# Altium PCB PCB2.PcbDoc (part 1 of 2)
Units mil, origin at the board's own origin, x right, y up, seen from the top; angles counter-clockwise.
Board outline 7988.19 x 3326.77 mil, 4 copper layers (Top Layer, Layer 1, Layer 2, Bottom Layer), stack 23.756 mil thick; 173 components, 187 nets, 820 pads, 323 vias.
Unrouted connection lines stored in the file: 193.
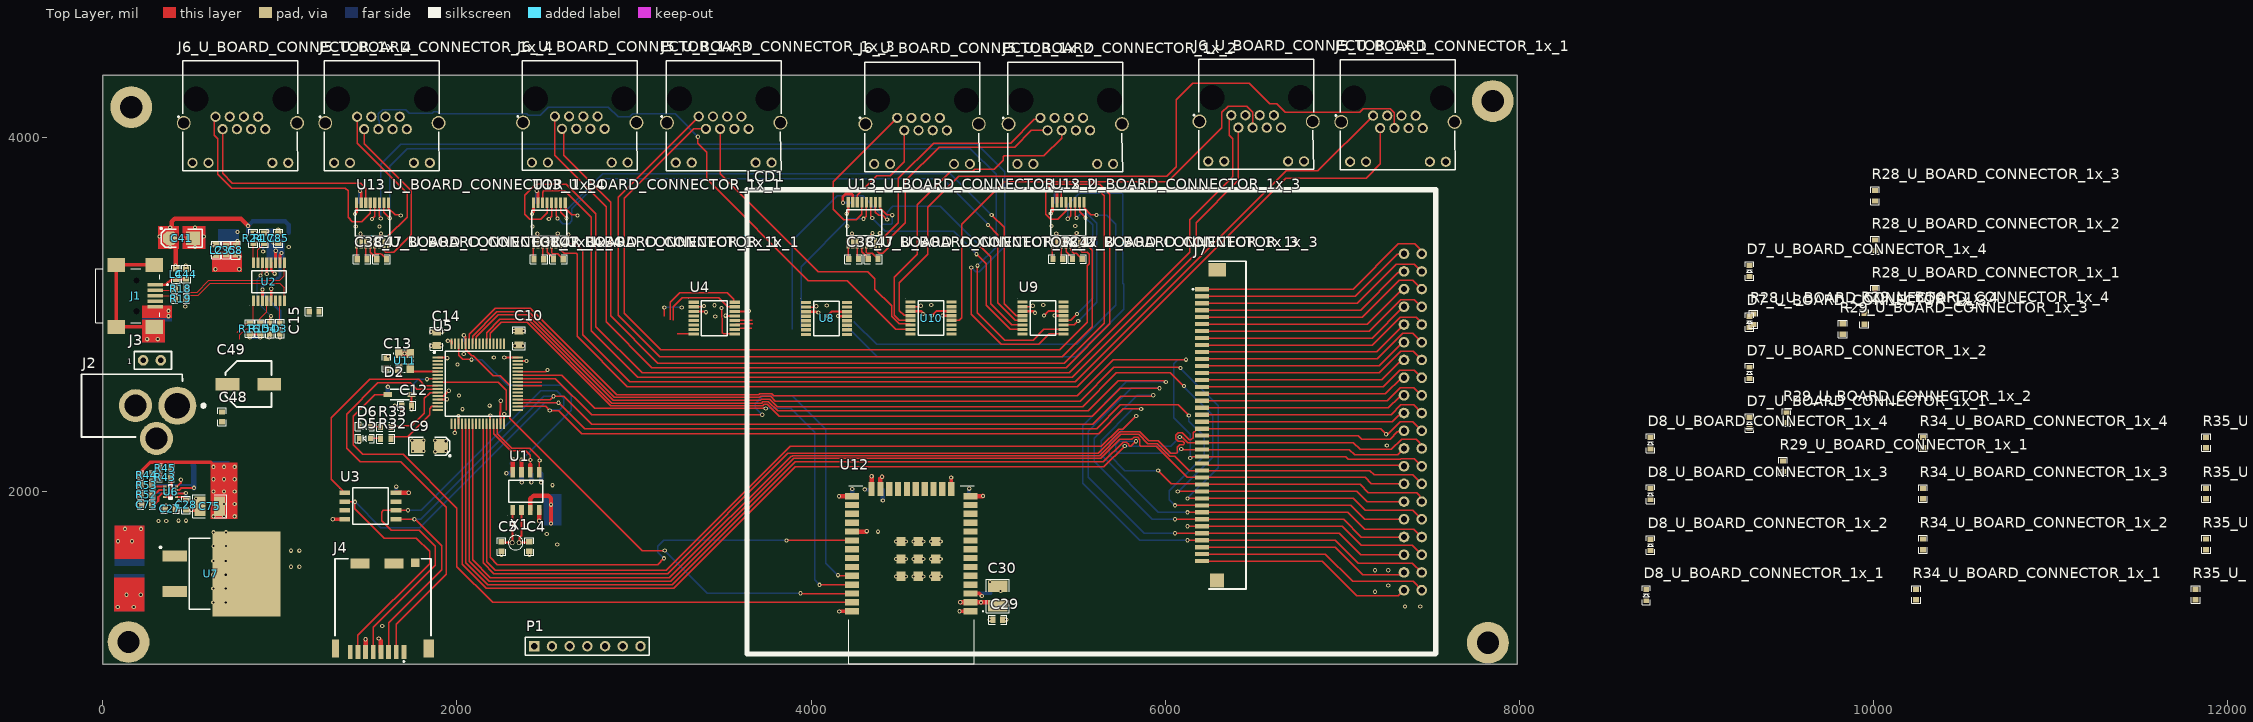
[diagram p0: Top Layer view]
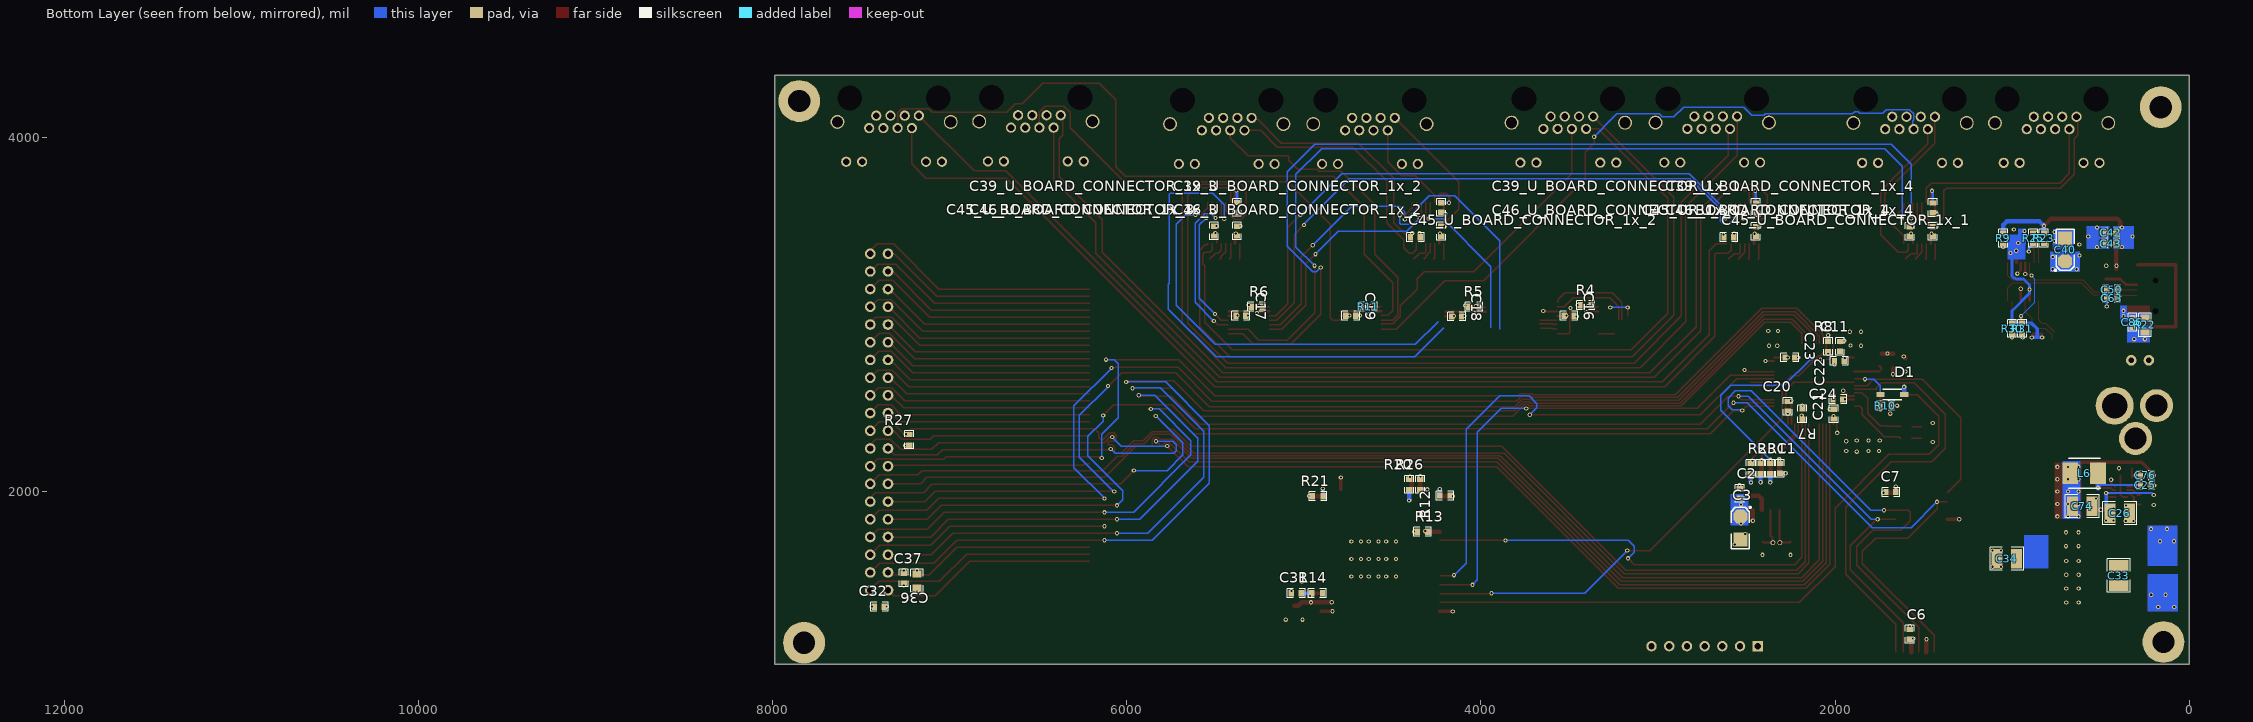
[diagram p1: Bottom Layer view, seen from below]
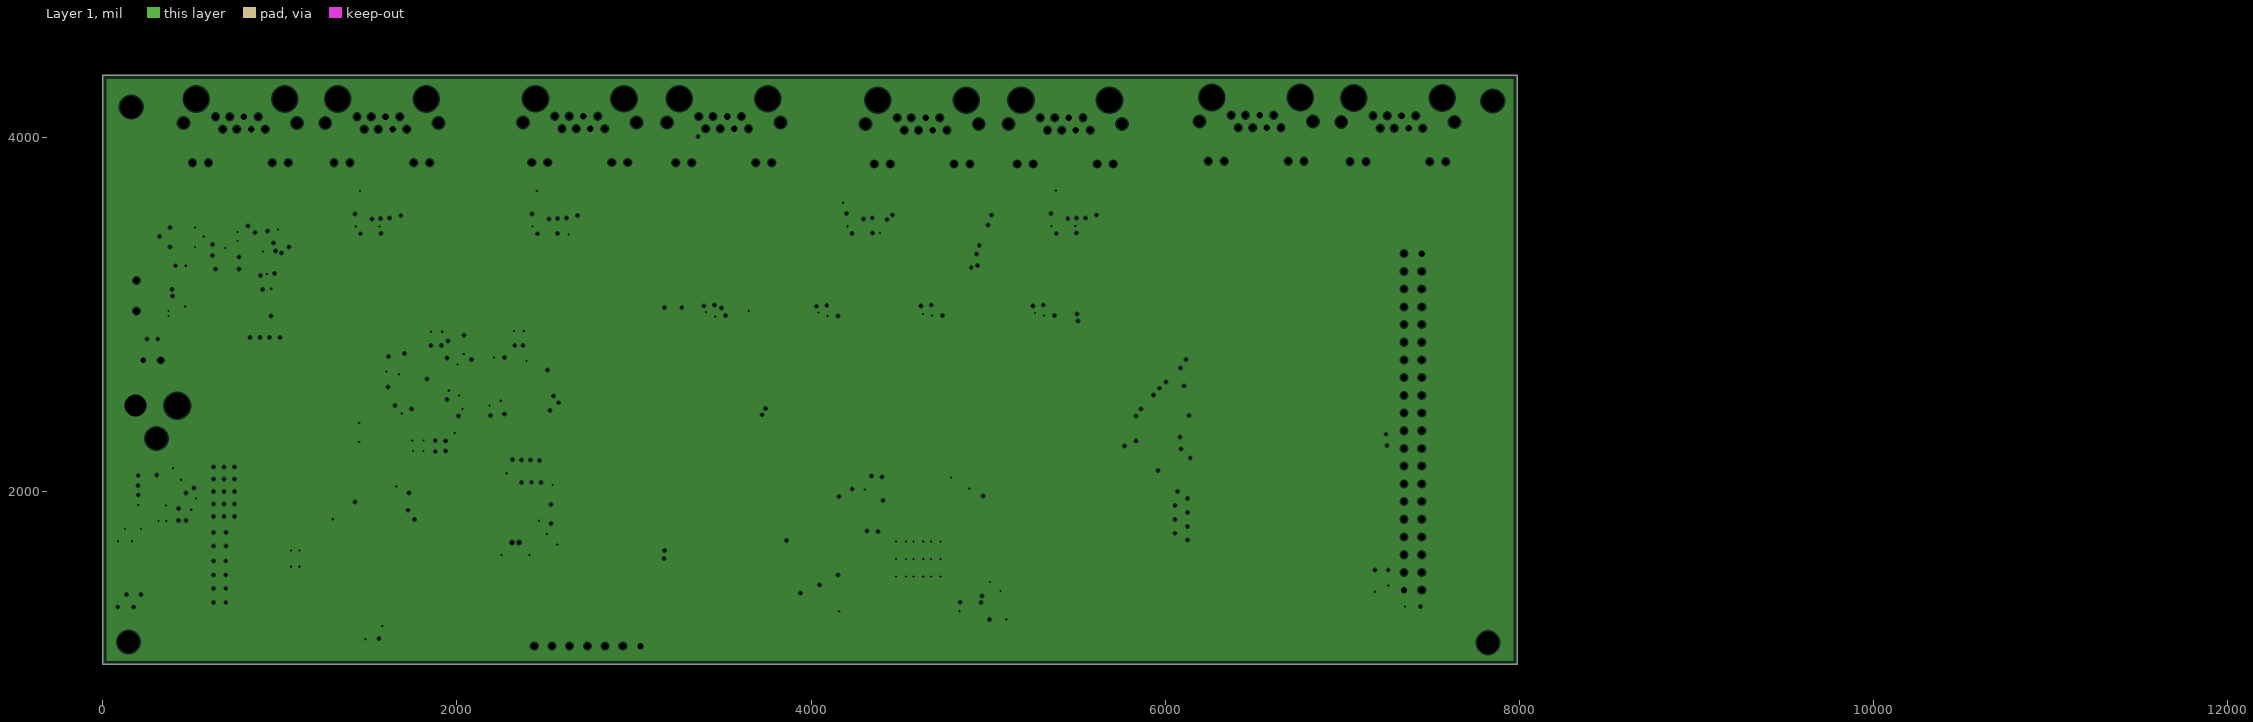
[diagram p2: Layer 1, clearances drawn from the general rule]
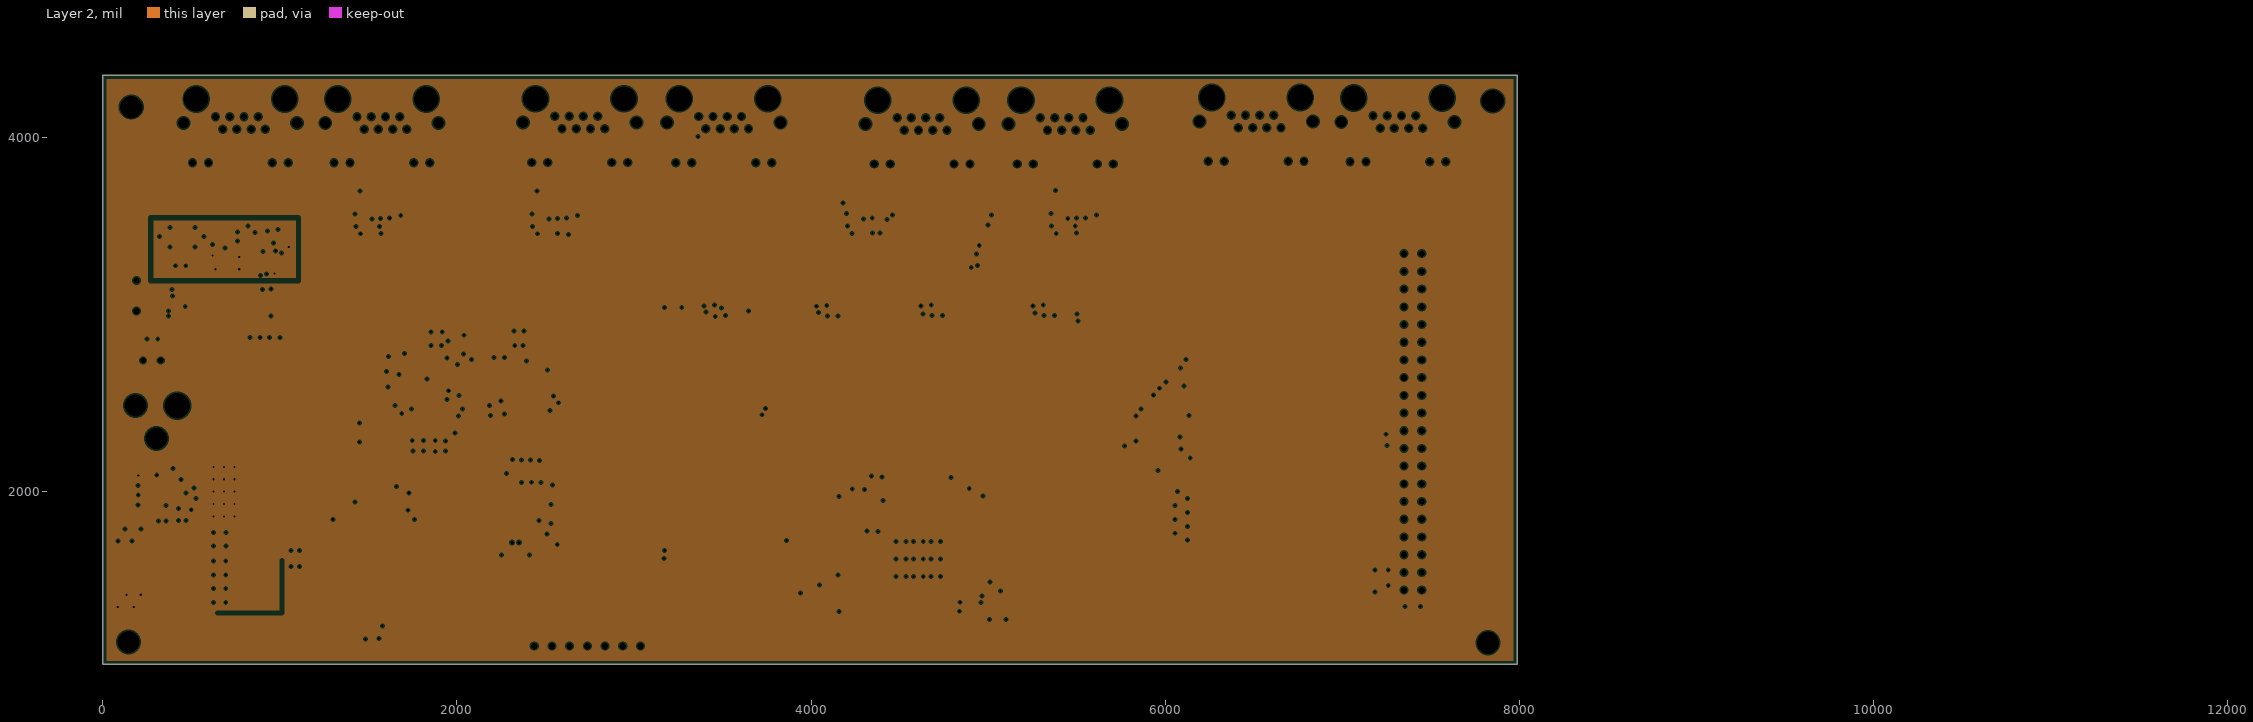
[diagram p3: Layer 2, clearances drawn from the general rule]

## Layer stack, top to bottom
Top Solder: solder mask 0.4, Solder Resist, Dk 3.5
Top Layer: signal copper 1.4
Dielectric 2: prepreg 2.8, PP-006, Dk 4.1
Layer 1: plane copper 1.378, net GND
Dielectric 1: dielectric 12.6, FR-4, Dk 4.8
Layer 2: plane copper 1.378, net (Multiple Nets)
Dielectric 3: prepreg 2.8, PP-006, Dk 4.1
Bottom Layer: signal copper 1.4
Bottom Solder: solder mask 0.4, Solder Resist, Dk 3.5

## Board outline
0,1023.62 7988.19,1023.62 7988.19,4350.39 0,4350.39

## Design rules (kind name [scope] priority, off if disabled: settings)
Clearance [All] p1: gap=7 ignorepadtopadclearanceinfootprint=TRUE
ComponentClearance [All] p1: gap=0 collisioncheckmode=3 verticalgap=0 showdistances=FALSE
DiffPairsRouting [All] p1: maxlimit=10 minlimit=10 mostfreqgap=10 toplayer_minwidth=7 toplayer_maxwidth=15 toplayer_prefwidth=7 bottomlayer_minwidth=7 bottomlayer_maxwidth=15 bottomlayer_prefwidth=10 maxuncoupledlength=500
HoleSize [All] p1: absolutevalues=TRUE maxlimit=200 minlimit=1 maxpercent=80.000 minpercent=20.000
MinimumSolderMaskSliver [All] p1: minsoldermaskwidth=0
PlaneClearance [All] p1: clearance=8
PlaneConnect [All] p1: planeconnectstyle=Relief reliefexpansion=10 reliefentries=4 reliefconductorwidth=10 reliefairgap=10
PolygonConnect [All] p1: connectstyle=Relief reliefconductorwidth=10 reliefentries=4 polygonreliefangle="90 Angle" airgapwidth=10
RoomDefinition U_WIFI [InComponentClass('U_WIFI')] p1: confinementstyle=ConfineIn formatcopy=TRUE lockcomponents=FALSE outline -5077.95,-5224.02 -3077.95,-5224.02 -3077.95,-4224.02 -5077.95,-4224.02
RoomDefinition U_STM32 [InComponentClass('U_STM32')] p2: confinementstyle=ConfineIn formatcopy=TRUE lockcomponents=FALSE outline -5077.95,-5224.02 -3077.95,-5224.02 -3077.95,-4224.02 -5077.95,-4224.02
RoomDefinition U_SDCARD_FLASH [InComponentClass('U_SDCARD_FLASH')] p3: confinementstyle=ConfineIn formatcopy=TRUE lockcomponents=FALSE outline -5077.95,-5224.02 -3077.95,-5224.02 -3077.95,-4224.02 -5077.95,-4224.02
RoomDefinition U_RTC [InComponentClass('U_RTC')] p4: confinementstyle=ConfineIn formatcopy=TRUE lockcomponents=FALSE outline -5077.95,-5224.02 -3077.95,-5224.02 -3077.95,-4224.02 -5077.95,-4224.02
RoomDefinition U_POWER_CONTROLLER [InComponentClass('U_POWER_CONTROLLER')] p5: confinementstyle=ConfineIn formatcopy=TRUE lockcomponents=FALSE outline -5077.95,-5224.02 -3077.95,-5224.02 -3077.95,-4224.02 -5077.95,-4224.02
RoomDefinition U_LCD [InComponentClass('U_LCD')] p6: confinementstyle=ConfineIn formatcopy=TRUE lockcomponents=FALSE outline -5077.95,-5224.02 -3077.95,-5224.02 -3077.95,-4224.02 -5077.95,-4224.02
RoomDefinition U_FTDI [InComponentClass('U_FTDI')] p7: confinementstyle=ConfineIn formatcopy=TRUE lockcomponents=FALSE outline -5077.95,-5224.02 -3077.95,-5224.02 -3077.95,-4224.02 -5077.95,-4224.02
RoomDefinition U_BOARD_CONNECTOR_1x_4 [InComponentClass('U_BOARD_CONNECTOR_1x_4')] p8: confinementstyle=ConfineIn formatcopy=TRUE lockcomponents=FALSE outline -5077.95,-5224.02 -3077.95,-5224.02 -3077.95,-4224.02 -5077.95,-4224.02
RoomDefinition U_BOARD_CONNECTOR_1x_3 [InComponentClass('U_BOARD_CONNECTOR_1x_3')] p9: confinementstyle=ConfineIn formatcopy=TRUE lockcomponents=FALSE outline -5077.95,-5224.02 -3077.95,-5224.02 -3077.95,-4224.02 -5077.95,-4224.02
RoomDefinition U_BOARD_CONNECTOR_1x_2 [InComponentClass('U_BOARD_CONNECTOR_1x_2')] p10: confinementstyle=ConfineIn formatcopy=TRUE lockcomponents=FALSE outline -5077.95,-5224.02 -3077.95,-5224.02 -3077.95,-4224.02 -5077.95,-4224.02
RoomDefinition U_BOARD_CONNECTOR_1x_1 [InComponentClass('U_BOARD_CONNECTOR_1x_1')] p11: confinementstyle=ConfineIn formatcopy=TRUE lockcomponents=FALSE outline -5077.95,-5224.02 -3077.95,-5224.02 -3077.95,-4224.02 -5077.95,-4224.02
RoutingVias [All] p1: holewidth=12 width=24 viastyle="Through Hole" minholewidth=12 minwidth=24 maxholewidth=28 maxwidth=50
SilkToSilkClearance [All] p1: silktosilkclearance=0
SilkToSolderMaskClearance [IsPad] p1: minsilkscreentomaskgap=0 clearancetoexposedcopper=TRUE
SolderMaskExpansion [All] p1: expansion=4 istentingtop=FALSE
Width [All] p1: maxlimit=50 minlimit=7 preferedwidth=7 minimp=50.000000 maximp=50.000000 favimp=50.000000
22 further rules are at their usual default settings.

## Classes and differential pairs
channel class BOARD_CONNECTOR_1x: U_BOARD_CONNECTOR_1x_1 U_BOARD_CONNECTOR_1x_2 U_BOARD_CONNECTOR_1x_3 U_BOARD_CONNECTOR_1x_4
net class WIFI_GPIO[3..1]: WIFI_GPIO1 WIFI_GPIO2 WIFI_GPIO3
net class V_SENSE[8..1]: V_SENSE5 V_SENSE6 V_SENSE7 V_SENSE8
net class CMD_TX[8..1]: CMD_TX1 CMD_TX2 CMD_TX3 CMD_TX4 CMD_TX5 CMD_TX6 CMD_TX7 CMD_TX8
net class CMD_RX[8..1]: CMD_RX1 CMD_RX2 CMD_RX3 CMD_RX4 CMD_RX5 CMD_RX6 CMD_RX7 CMD_RX8
net class BOARD_LSENSE[8..1]: BOARD_LSENSE1 BOARD_LSENSE2 BOARD_LSENSE3 BOARD_LSENSE4 BOARD_SENSE1 BOARD_SENSE2 BOARD_SENSE3 BOARD_SENSE4
component class U_SDCARD_FLASH: C6 C7 J4 U3
component class U_LCD: C32 C36 C37 J7 LCD1 R27
component class U_BOARD_CONNECTOR_1x_4: C38_U_BOARD_CONNECTOR_1x_4 C39_U_BOARD_CONNECTOR_1x_4 C45_U_BOARD_CONNECTOR_1x_4 C46_U_BOARD_CONNECTOR_1x_4 C47_U_BOARD_CONNECTOR_1x_4 D7_U_BOARD_CONNECTOR_1x_4 D8_U_BOARD_CONNECTOR_1x_4 J5_U_BOARD_CONNECTOR_1x_4 J6_U_BOARD_CONNECTOR_1x_4 R28_U_BOARD_CONNECTOR_1x_4 R29_U_BOARD_CONNECTOR_1x_4 R34_U_BOARD_CONNECTOR_1x_4 R35_U_BOARD_CONNECTOR_1x_4 U13_U_BOARD_CONNECTOR_1x_4
component class U_BOARD_CONNECTOR_1x_3: C38_U_BOARD_CONNECTOR_1x_3 C39_U_BOARD_CONNECTOR_1x_3 C45_U_BOARD_CONNECTOR_1x_3 C46_U_BOARD_CONNECTOR_1x_3 C47_U_BOARD_CONNECTOR_1x_3 D7_U_BOARD_CONNECTOR_1x_3 D8_U_BOARD_CONNECTOR_1x_3 J5_U_BOARD_CONNECTOR_1x_3 J6_U_BOARD_CONNECTOR_1x_3 R28_U_BOARD_CONNECTOR_1x_3 R29_U_BOARD_CONNECTOR_1x_3 R34_U_BOARD_CONNECTOR_1x_3 R35_U_BOARD_CONNECTOR_1x_3 U13_U_BOARD_CONNECTOR_1x_3
component class U_BOARD_CONNECTOR_1x_2: C38_U_BOARD_CONNECTOR_1x_2 C39_U_BOARD_CONNECTOR_1x_2 C45_U_BOARD_CONNECTOR_1x_2 C46_U_BOARD_CONNECTOR_1x_2 C47_U_BOARD_CONNECTOR_1x_2 D7_U_BOARD_CONNECTOR_1x_2 D8_U_BOARD_CONNECTOR_1x_2 J5_U_BOARD_CONNECTOR_1x_2 J6_U_BOARD_CONNECTOR_1x_2 R28_U_BOARD_CONNECTOR_1x_2 R29_U_BOARD_CONNECTOR_1x_2 R34_U_BOARD_CONNECTOR_1x_2 R35_U_BOARD_CONNECTOR_1x_2 U13_U_BOARD_CONNECTOR_1x_2
component class U_BOARD_CONNECTOR_1x_1: C38_U_BOARD_CONNECTOR_1x_1 C39_U_BOARD_CONNECTOR_1x_1 C45_U_BOARD_CONNECTOR_1x_1 C46_U_BOARD_CONNECTOR_1x_1 C47_U_BOARD_CONNECTOR_1x_1 D7_U_BOARD_CONNECTOR_1x_1 D8_U_BOARD_CONNECTOR_1x_1 J5_U_BOARD_CONNECTOR_1x_1 J6_U_BOARD_CONNECTOR_1x_1 R28_U_BOARD_CONNECTOR_1x_1 R29_U_BOARD_CONNECTOR_1x_1 R34_U_BOARD_CONNECTOR_1x_1 R35_U_BOARD_CONNECTOR_1x_1 U13_U_BOARD_CONNECTOR_1x_1
component class U_STM32: C9 C10 C11 C12 C13 C14 C15 C16 C17 C18 C19 C20 C21 C22 C23 C24 D1 D2 D5 D6 P1 R4 R5 R6 R7 R8 R10 R11 R32 R33 U4 U5 U8 U9 U10 U11
component class U_RTC: C1 C2 C3 C4 C5 J3 R1 R2 R3 U1 X1
component class U_WIFI: C29 C30 C31 R12 R13 R14 R20 R21 R26 U12
component class U_FTDI: C8 C35 C40 C41 C42 C43 C44 C50 C63 C85 C86 D3 D4 J1 L2 L4 R9 R15 R16 R17 R18 R19 R22 R23 R24 R25 R30 R31 U2
component class U_POWER_CONTROLLER: C25 C26 C27 C28 C33 C34 C48 C49 C73 C74 C75 C76 J2 L6 R43 R44 R45 R52 R53 U6 U7
differential pair USBDP: +USBDP_P -USBDP_N

## Components (designator, comment, footprint, x,y, rotation, side; value= is the part's Value field where it differs from the comment)
C1 "0.1uF/16V" 0603C 2311.02,2129.92 r270 bottom
C2 "0.1uF/16V" 0603C 2539.37,1988.19 r90 bottom
C3 "4.7uF/16V" CASE-A 2535.43,1858.27 r270 bottom
C4 "10pF/50V" 0603C 2409.45,1688.98 r90 top
C5 "10pF/50V" 0603C 2251.97,1688.98 r270 top
C6 "0.1uF/16V" 0603C 1578.74,1192.91 r270 bottom
C7 "0.1uF/16V" 0603C 1685.04,1996.06 r0 bottom
C8 "0.01uF/16V" 0603C 750.79,3362.28 r90 top
C9 "4.7uF/16V" CASE-A 1909.45,2255.91 r180 top
C10 "10uF/25V" 0805C 2350.39,2866.14 r270 top
C11 "0.1uF/16V" 0603C 1972.44,2818.9 r270 bottom
C12 "1uF/16V" 0603C 1716.54,2484.25 r180 top
C13 "0.1uF/16V" 0603C 1602.36,2724.41 r90 top
C14 "10uF/25V" 0805C 1885.83,2862.2 r270 top
C15 "0.1uF/16V" 0603C 1193.7,3015.75 r180 top
C16 "0.1uF/16V" 0603C 3502.36,2992.01 r180 bottom
C17 "0.1uF/16V" 0603C 5356.14,2992.01 r180 bottom
C18 "0.1uF/16V" 0603C 4137.36,2987.44 r180 bottom
C19 "0.1uF/16V" 0603C 4735.51,2992.01 r180 bottom
C20 "0.1uF/16V" 0603C 2267.72,2480.32 r90 bottom
C21 "0.1uF/16V" 0603C 1984.25,2519.69 r0 bottom
C22 "0.1uF/16V" 0603C 1976.38,2736.22 r0 bottom
C23 "0.1uF/16V" 0603C 2255.91,2755.91 r180 bottom
C24 "0.1uF/16V" 0603C 2007.87,2437.01 r90 bottom
C25 "1uF/16V" 0603C 247.51,2035.73 r180 bottom
C26 "22uF/25V" 1210C 392.31,1875.93 r0 bottom
C27 "0.1uF/50V" 0603C 380.71,1901.43 r0 top
C28 "1nF/63V" 0603C 470.31,1923.99 r90 top
C29 "0.1uF/16V" 0603C 5055.12,1275.59 r0 top
C30 "22uF/25V" 1210C 5055.12,1409.45 r270 top
C31 "1uF/16V" 0603C 5043.31,1425.2 r0 bottom
C32 "0.1uF/16V" 0603C 7397.64,1349.21 r180 bottom
C33 "22uF/25V" 1210C 397.01,1524.72 r270 bottom
C34 "22uF/25V" 1210C 1030,1620.47 r180 bottom
C35 "0.1uF/16V" 0603C 695.79,3362.83 r90 top
C36 "0.1uF/16V" 0603C 7259.84,1510.63 r270 bottom
C37 "10uF/25V" 0805C 7185.04,1494.88 r90 bottom
C38_U_BOARD_CONNECTOR_1x_1 "0.1uF/50V" 0603C 2463.17,3310.43 r180 top (schematic designator C38)
C38_U_BOARD_CONNECTOR_1x_2 "0.1uF/50V" 0603C 4240.67,3311.96 r180 top (schematic designator C38)
C38_U_BOARD_CONNECTOR_1x_3 "0.1uF/50V" 0603C 5393.86,3312.52 r180 top (schematic designator C38)
C38_U_BOARD_CONNECTOR_1x_4 "0.1uF/50V" 0603C 1464.57,3310.43 r180 top (schematic designator C38)
C39_U_BOARD_CONNECTOR_1x_1 "0.1uF/50V" 0603C 2447.42,3601.77 r270 bottom (schematic designator C39)
C39_U_BOARD_CONNECTOR_1x_2 "0.1uF/50V" 0603C 4224.92,3603.3 r270 bottom (schematic designator C39)
C39_U_BOARD_CONNECTOR_1x_3 "0.1uF/50V" 0603C 5378.11,3603.86 r270 bottom (schematic designator C39)
C39_U_BOARD_CONNECTOR_1x_4 "0.1uF/50V" 0603C 1448.82,3601.77 r270 bottom (schematic designator C39)
C40 "4.7uF/16V" CASE-A 700.79,3299.92 r90 bottom
C41 "4.7uF/16V" CASE-A 380.87,3429.84 r0 top
C42 "0.1uF/16V" 0603C 443.23,3459.84 r180 bottom
C43 "0.1uF/16V" 0603C 443.23,3399.84 r180 bottom
C44 "0.01uF/16V" 0603C 470.79,3227.4 r90 top
C45_U_BOARD_CONNECTOR_1x_1 "0.1uF/50V" 0603C 2600,3435 r180 bottom (schematic designator C45)
C45_U_BOARD_CONNECTOR_1x_2 "0.1uF/50V" 0603C 4370,3435 r180 bottom (schematic designator C45)
C45_U_BOARD_CONNECTOR_1x_3 "0.1uF/50V" 0603C 5508.03,3470 r270 bottom (schematic designator C45)
C45_U_BOARD_CONNECTOR_1x_4 "0.1uF/50V" 0603C 1578.74,3467.91 r270 bottom (schematic designator C45)
C46_U_BOARD_CONNECTOR_1x_1 "0.1uF/50V" 0603C 2447.42,3467.91 r270 bottom (schematic designator C46)
C46_U_BOARD_CONNECTOR_1x_2 "0.1uF/50V" 0603C 4224.92,3469.45 r270 bottom (schematic designator C46)
C46_U_BOARD_CONNECTOR_1x_3 "0.1uF/50V" 0603C 5378.11,3470 r270 bottom (schematic designator C46)
C46_U_BOARD_CONNECTOR_1x_4 "0.1uF/50V" 0603C 1448.82,3467.91 r270 bottom (schematic designator C46)
C47_U_BOARD_CONNECTOR_1x_1 "0.1uF/50V" 0603C 2573.41,3310.43 r180 top (schematic designator C47)
C47_U_BOARD_CONNECTOR_1x_2 "0.1uF/50V" 0603C 4350.91,3311.96 r180 top (schematic designator C47)
C47_U_BOARD_CONNECTOR_1x_3 "0.1uF/50V" 0603C 5504.09,3312.52 r180 top (schematic designator C47)
C47_U_BOARD_CONNECTOR_1x_4 "0.1uF/50V" 0603C 1574.8,3310.43 r180 top (schematic designator C47)
C48 "2.2uF/50V" 0603C 673.23,2421.26 r90 top
C49 "10uF/63V" EEE-FN1J100L 822.83,2606.3 r0 top
C50 "47pF/100V" 0603C 438.35,3139.84 r180 bottom
C63 "47pF/100V" 0603C 438.35,3089.84 r180 bottom
C73 "6.8nF/50V" 0603C 247.51,1925.25 r0 top
C74 "22uF/25V" 1210C 604.22,1916.03 r0 bottom
C75 "22uF/25V" 1210C 604.22,1916.03 r0 top
C76 "10pF/50V" 0603C 247.81,2091.63 r0 bottom
C85 "0.1uF/16V" 0603C 990.79,3429.84 r270 top
C86 "4.7nF/50V" 0603C 320.79,2954.84 r270 bottom
D1 "1N4148" 1N4148W-13-F 1677.17,2547.24 r180 bottom value=100V
D2 "1N4148" 1N4148W-13-F 1677.17,2547.24 r180 top value=100V
D3 "LEDR" LED_0603 1000.79,2919.84 r90 top value=RED
D4 "LEDR" LED_0603 943.96,2919.84 r90 top value=RED
D5 "LEDR" LED_0603 1480.31,2299.21 r180 top value=RED
D6 "LEDR" LED_0603 1480.31,2366.14 r180 top value=RED
D7_U_BOARD_CONNECTOR_1x_1 "LEDR" LED_0603 9299.98,2386.21 r90 top value=RED (schematic designator D7)
D7_U_BOARD_CONNECTOR_1x_2 "LEDR" LED_0603 9299.98,2669.67 r90 top value=RED (schematic designator D7)
D7_U_BOARD_CONNECTOR_1x_3 "LEDR" LED_0603 9299.98,2957.07 r90 top value=RED (schematic designator D7)
D7_U_BOARD_CONNECTOR_1x_4 "LEDR" LED_0603 9299.98,3244.47 r90 top value=RED (schematic designator D7)
D8_U_BOARD_CONNECTOR_1x_1 "LEDR" LED_0603 8717.3,1413.77 r90 top value=RED (schematic designator D8)
D8_U_BOARD_CONNECTOR_1x_2 "LEDR" LED_0603 8740.92,1697.23 r90 top value=RED (schematic designator D8)
D8_U_BOARD_CONNECTOR_1x_3 "LEDR" LED_0603 8740.92,1984.63 r90 top value=RED (schematic designator D8)
D8_U_BOARD_CONNECTOR_1x_4 "LEDR" LED_0603 8740.92,2272.03 r90 top value=RED (schematic designator D8)
J1 "Mini USB" 10033527-N3112LF 190.39,3104.65 r270 top
J2 "PJ-002BH" PJ002BH 421.26,2484.25 r180 top
J3 "101" HEADER_2 377.95,2740.16 r90 top value=-
J4 "DM3CS-SF-PEJMS" DM3CS-SF-PEJMS 1582.68,1342.52 r0 top
J5_U_BOARD_CONNECTOR_1x_1 "RJHSE-5381" RJHSE5381 7311.85,4126.97 r180 top (schematic designator J5)
J5_U_BOARD_CONNECTOR_1x_2 "RJHSE-5381" RJHSE5381 5433.11,4114.37 r180 top (schematic designator J5)
J5_U_BOARD_CONNECTOR_1x_3 "RJHSE-5381" RJHSE5381 3503.98,4122.24 r180 top (schematic designator J5)
J5_U_BOARD_CONNECTOR_1x_4 "RJHSE-5381" RJHSE5381 1574,4120.84 r180 top locked (schematic designator J5)
J6_U_BOARD_CONNECTOR_1x_1 "RJHSE-5381" RJHSE5381 6511.06,4129.33 r180 top (schematic designator J6)
J6_U_BOARD_CONNECTOR_1x_2 "RJHSE-5381" RJHSE5381 4624.45,4114.37 r180 top (schematic designator J6)
J6_U_BOARD_CONNECTOR_1x_3 "RJHSE-5381" RJHSE5381 2691.38,4122.64 r180 top (schematic designator J6)
J6_U_BOARD_CONNECTOR_1x_4 "RJHSE-5381" RJHSE5381 774.78,4120.84 r180 top locked (schematic designator J6)
J7 "ER-CON40HB-2" ERCON40HB2 6305.12,2374.02 r270 top
L2 "100R,1A" 0603L 640.79,3362.83 r90 top value=100R/1A
L4 "100R,1A" 0603L 413.35,3226.9 r90 top value=100R/1A
L6 "2.2uH" IHLP1616BZER2R2M5A 514.71,2102.74 r0 bottom
LCD1 "LCD320X480" ER-TFTM035-6 5712.6,2392.52 r270 top locked value=320x480
P1 "Debug" HDR1X7 2437.01,1125.98 r0 top
R1 "10K" 0603R 2366.14,2129.92 r90 bottom
R2 "1K" 0603R 2476.38,2129.92 r90 bottom
R3 "1K" 0603R 2421.26,2129.92 r90 bottom
R4 "10K" 0603R 3407.87,3051.06 r0 bottom
R5 "10K" 0603R 4038.94,3042.56 r0 bottom
R6 "10K" 0603R 5267.09,3043.19 r0 bottom
R7 "10K" 0603R 2185.04,2437.01 r270 bottom
R8 "10K" 0603R 2039.37,2818.9 r90 bottom
R9 "0R" 0603R 1050.79,3429.84 r270 bottom
R10 "10K" 0603R 1716.54,2484.25 r0 bottom
R11 "10K" 0603R 4637.09,3043.19 r0 bottom
R12 "10K" 0603R 4203.23,1976.38 r0 bottom
R13 "10K" 0603R 4330.71,1771.65 r0 bottom
R14 "10K" 0603R 4925.2,1425.2 r180 bottom
R15 "10K" 0603R 887.45,2919.84 r270 top
R16 "10K" 0603R 830.79,2919.84 r270 top
R17 "10K" 0603R 910.79,3429.84 r90 top
R18 "27R" 0603R 439.21,3143.27 r180 top
R19 "27R" 0603R 439.21,3088.61 r180 top
R20 "10K" 0603R 4405.51,2039.37 r270 bottom
R21 "10K" 0603R 4921.26,1972.44 r0 bottom
R22 "1M" 0805R 250.79,2939.84 r90 bottom
R23 "4.7K" 0603R 820.79,3429.84 r270 bottom
R24 "0R" 0603R 850.79,3429.84 r270 top
R25 "10K" 0603R 880.79,3429.84 r90 bottom
R26 "10K" 0603R 4342.52,2039.37 r90 bottom
R27 "10K" 0603R 7228.35,2291.34 r90 bottom
R28_U_BOARD_CONNECTOR_1x_1 "10K" 0603R 10008.64,3114.55 r90 top (schematic designator R28)
R28_U_BOARD_CONNECTOR_1x_2 "10K" 0603R 10008.64,3390.14 r90 top (schematic designator R28)
R28_U_BOARD_CONNECTOR_1x_3 "10K" 0603R 10008.64,3669.67 r90 top (schematic designator R28)
R28_U_BOARD_CONNECTOR_1x_4 "10K" 0603R 9322.83,2972.44 r90 top (schematic designator R28)
R29_U_BOARD_CONNECTOR_1x_1 "10K" 0603R 9488.95,2142.11 r90 top (schematic designator R29)
R29_U_BOARD_CONNECTOR_1x_2 "10K" 0603R 9508.63,2417.7 r90 top (schematic designator R29)
R29_U_BOARD_CONNECTOR_1x_3 "10K" 0603R 9826.77,2917.32 r90 top (schematic designator R29)
R29_U_BOARD_CONNECTOR_1x_4 "10K" 0603R 9948.82,2974.88 r90 top (schematic designator R29)
R30 "220R" 0603R 1000.79,2919.84 r270 bottom
R31 "220R" 0603R 944.12,2919.84 r270 bottom
R32 "220R" 0603R 1598.43,2297.3 r180 top
R33 "220R" 0603R 1598.43,2364.23 r180 top
R34_U_BOARD_CONNECTOR_1x_1 "220R" 0603R 10240.91,1417.7 r90 top (schematic designator R34)
R34_U_BOARD_CONNECTOR_1x_2 "220R" 0603R 10280.28,1701.17 r90 top (schematic designator R34)
R34_U_BOARD_CONNECTOR_1x_3 "220R" 0603R 10280.28,1988.57 r90 top (schematic designator R34)
R34_U_BOARD_CONNECTOR_1x_4 "220R" 0603R 10280.28,2275.97 r90 top (schematic designator R34)
R35_U_BOARD_CONNECTOR_1x_1 "220R" 0603R 11819.65,1417.7 r90 top (schematic designator R35)
R35_U_BOARD_CONNECTOR_1x_2 "220R" 0603R 11878.71,1701.17 r90 top (schematic designator R35)
R35_U_BOARD_CONNECTOR_1x_3 "220R" 0603R 11878.71,1988.57 r90 top (schematic designator R35)
R35_U_BOARD_CONNECTOR_1x_4 "220R" 0603R 11878.71,2275.97 r90 top (schematic designator R35)
R43 "10K" 0603R 353.26,2079.15 r180 top
R44 "40.2K" 0603R 247.81,2091.63 r0 top
R45 "7.68K" 0603R 353.26,2130.33 r180 top
R52 "604K" 0603R 247.51,1980.62 r0 top
R53 "20R" 0603R 247.51,2035.73 r0 top
U1 "MCP79400" MCP79400-I/SN 2389.88,2001.26 r90 top
U2 "FT230XS-R" FT230 938.83,3184.36 r90 top
U3 "S25FL064LABMFI013" S25FL064LABMFI013 1511.81,1917.32 r0 top value=64Mbit
U4 "ADG708BRUZ" ADG708BRUZ 3453.4,2978.58 r0 top
U5 "STM32F101RBT6" STM32F101RBT6 2118.35,2607.64 r0 top